# Altium PCB MainPCB_XBeeSXPro_Breakout.PcbDoc (part 1 of 2)
Units mil, origin at the board's own origin, x right, y up, seen from the top; angles counter-clockwise.
Board outline 3100 x 3100 mil, 4 copper layers (Top Layer, Layer 1, Layer 2, Bottom Layer), stack 62.449 mil thick; 102 components, 73 nets, 348 pads, 287 vias.
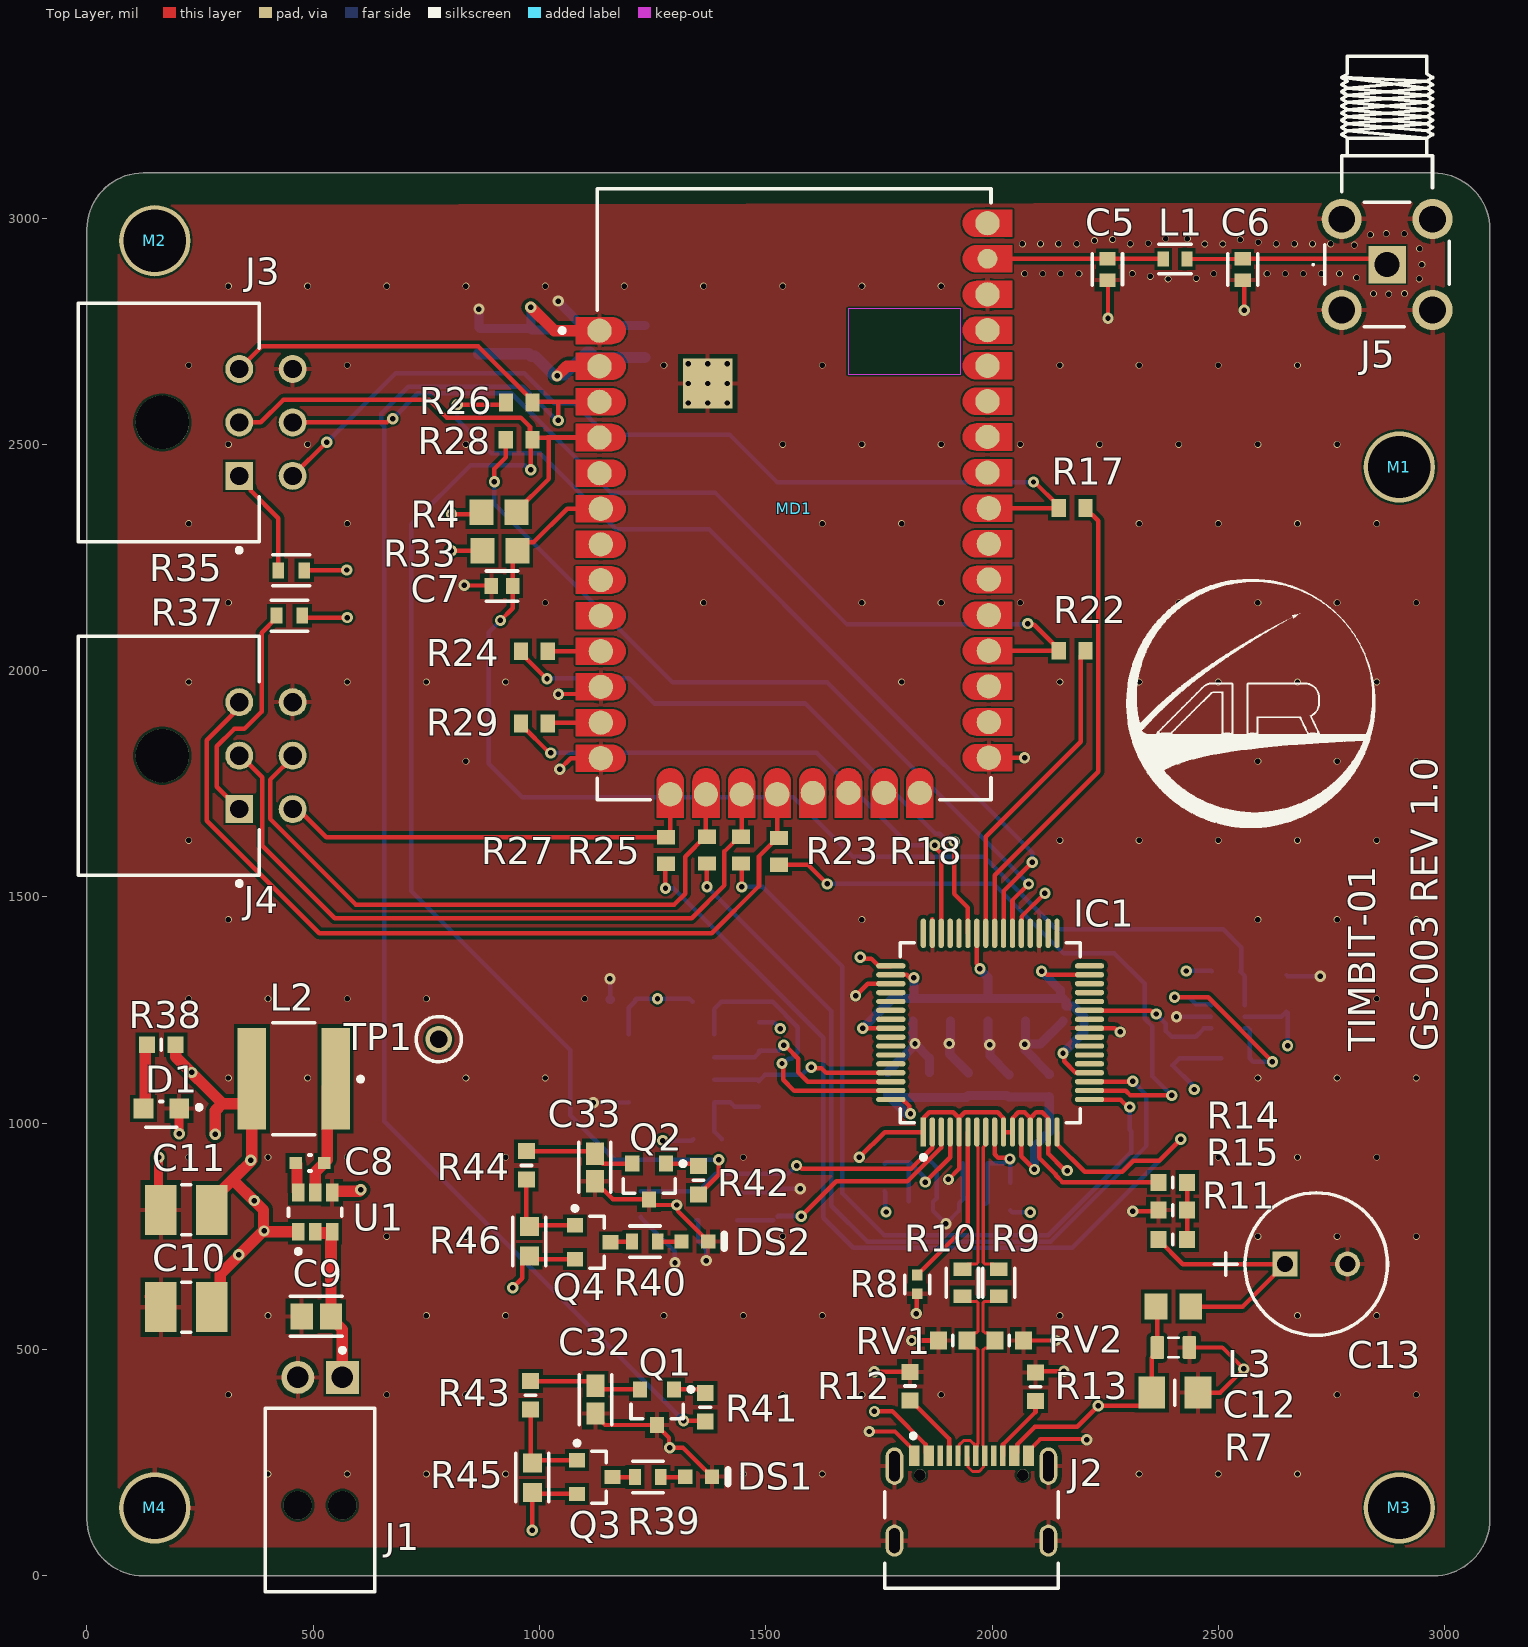
[diagram p0: Top Layer view]
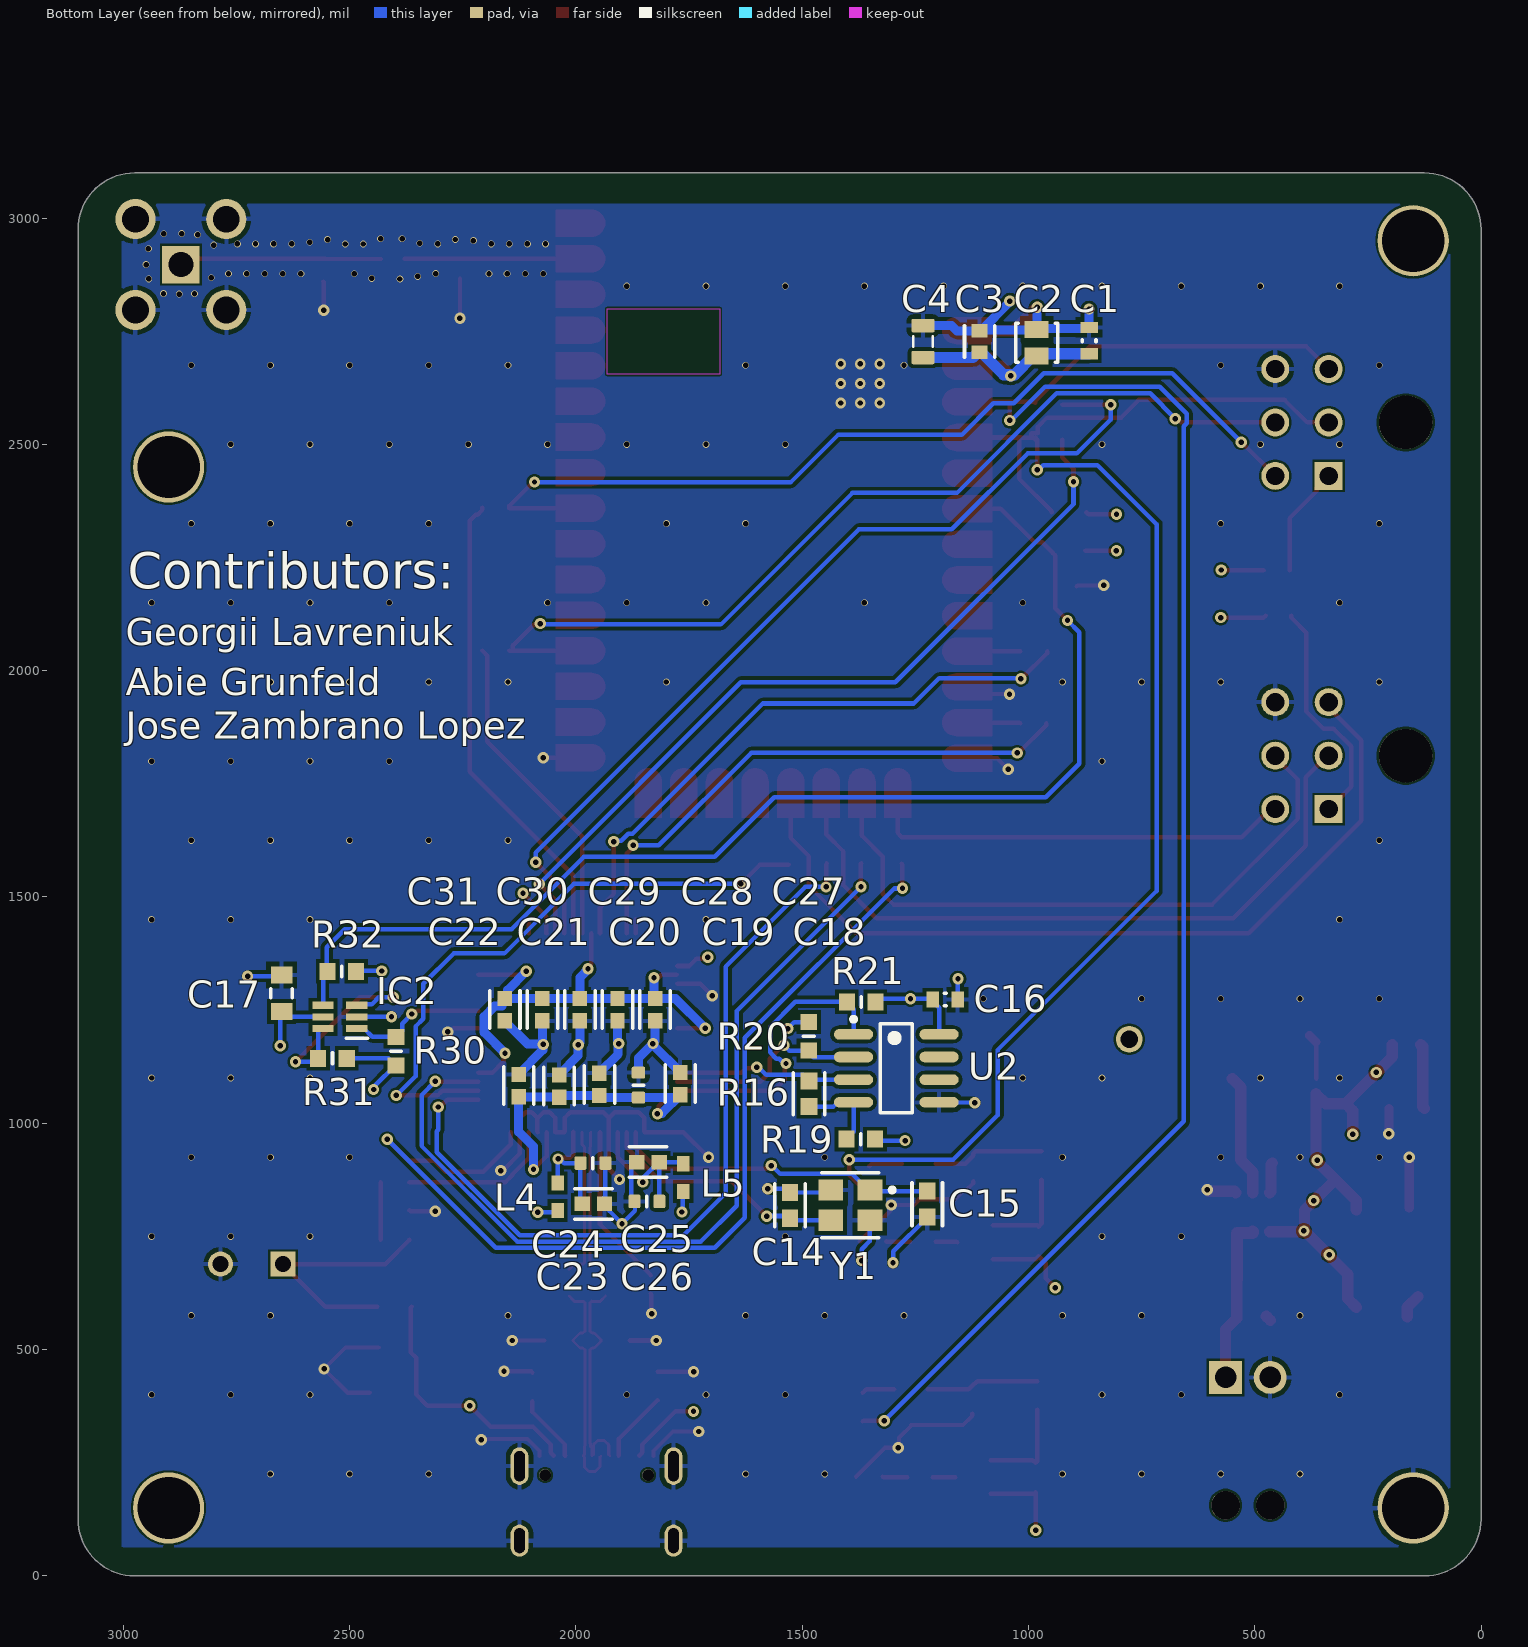
[diagram p1: Bottom Layer view, seen from below]
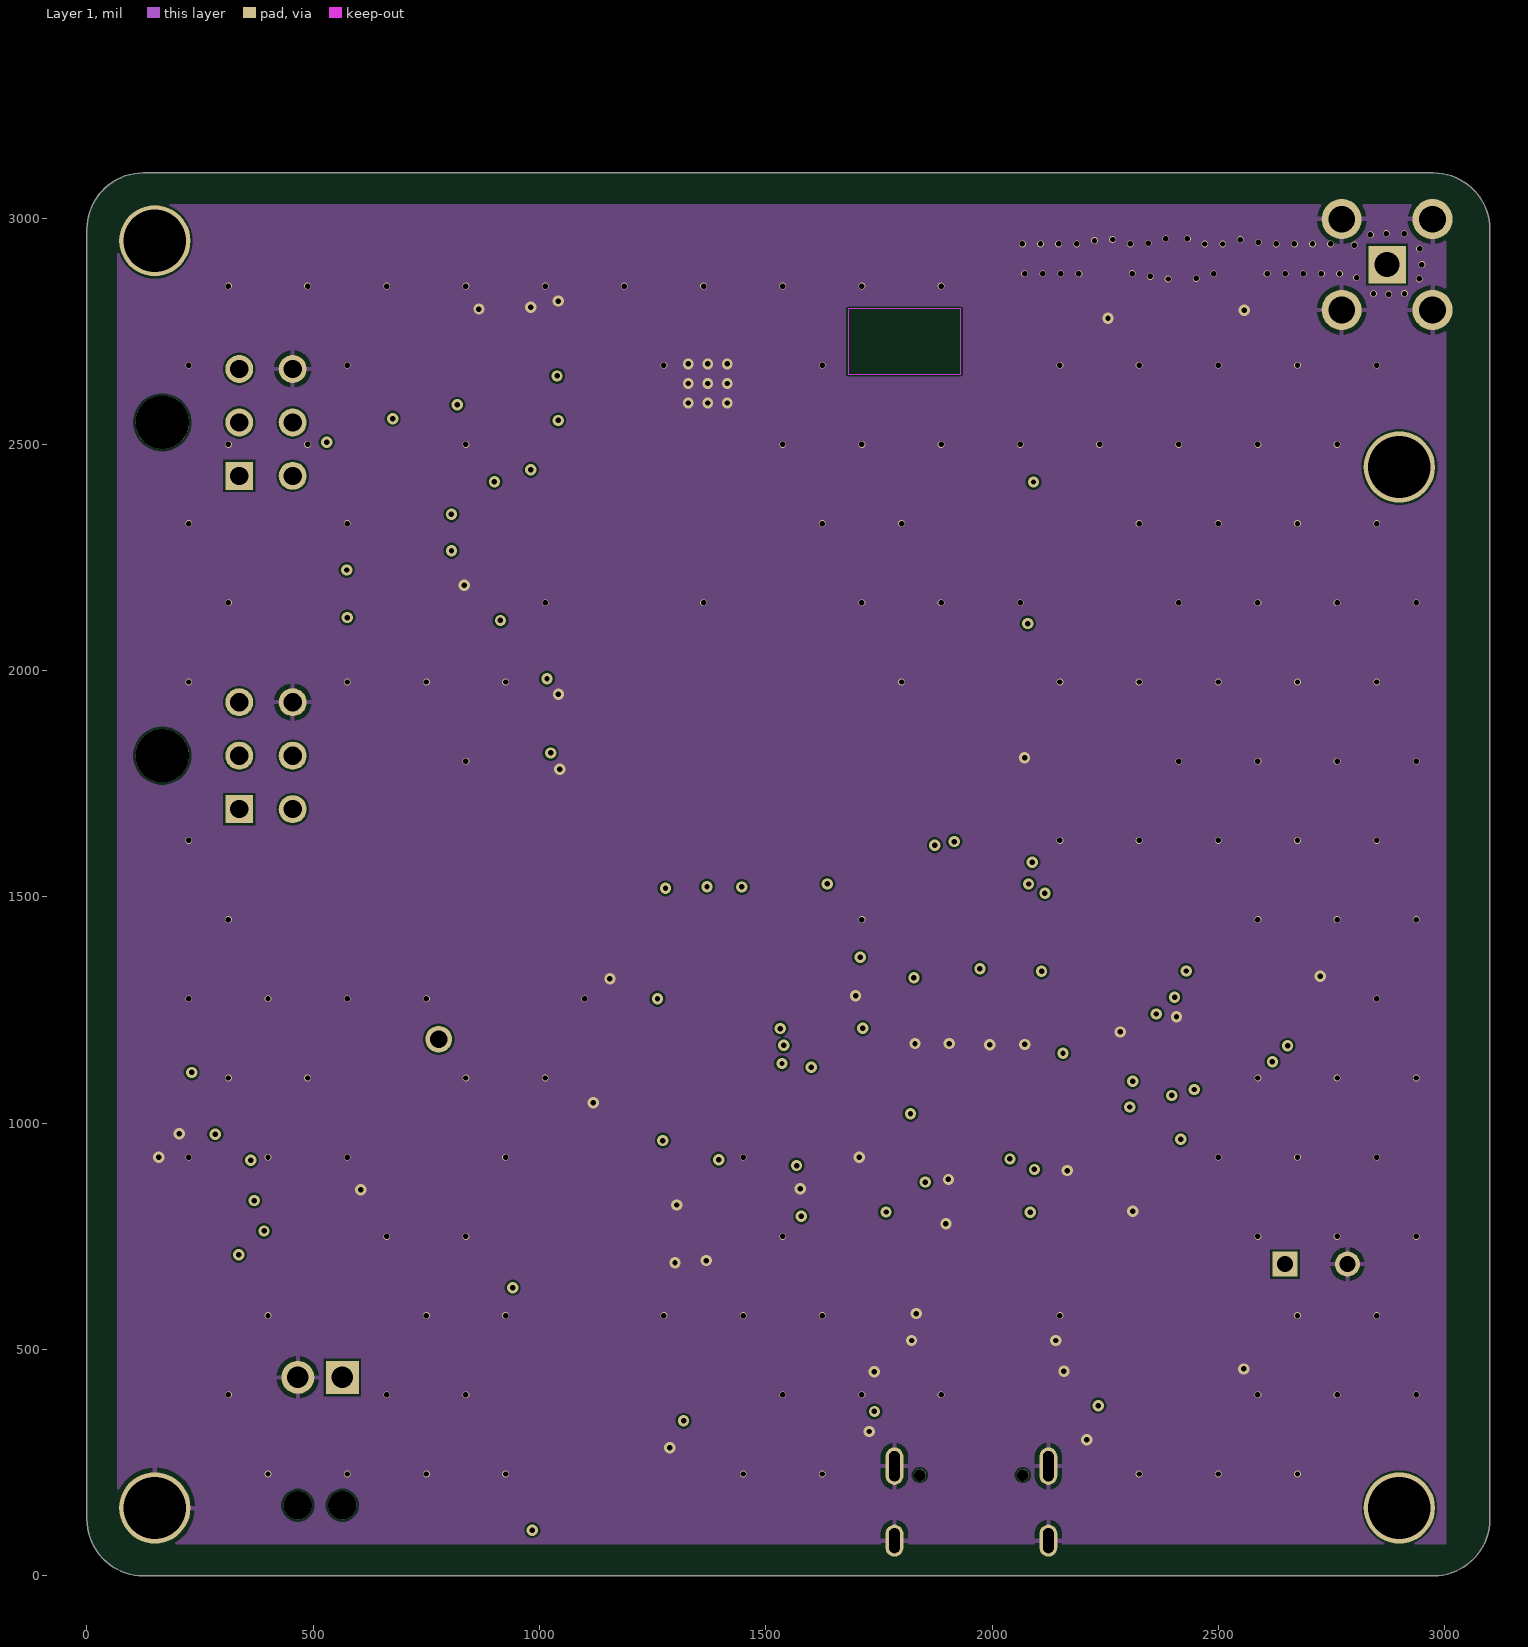
[diagram p2: Layer 1]
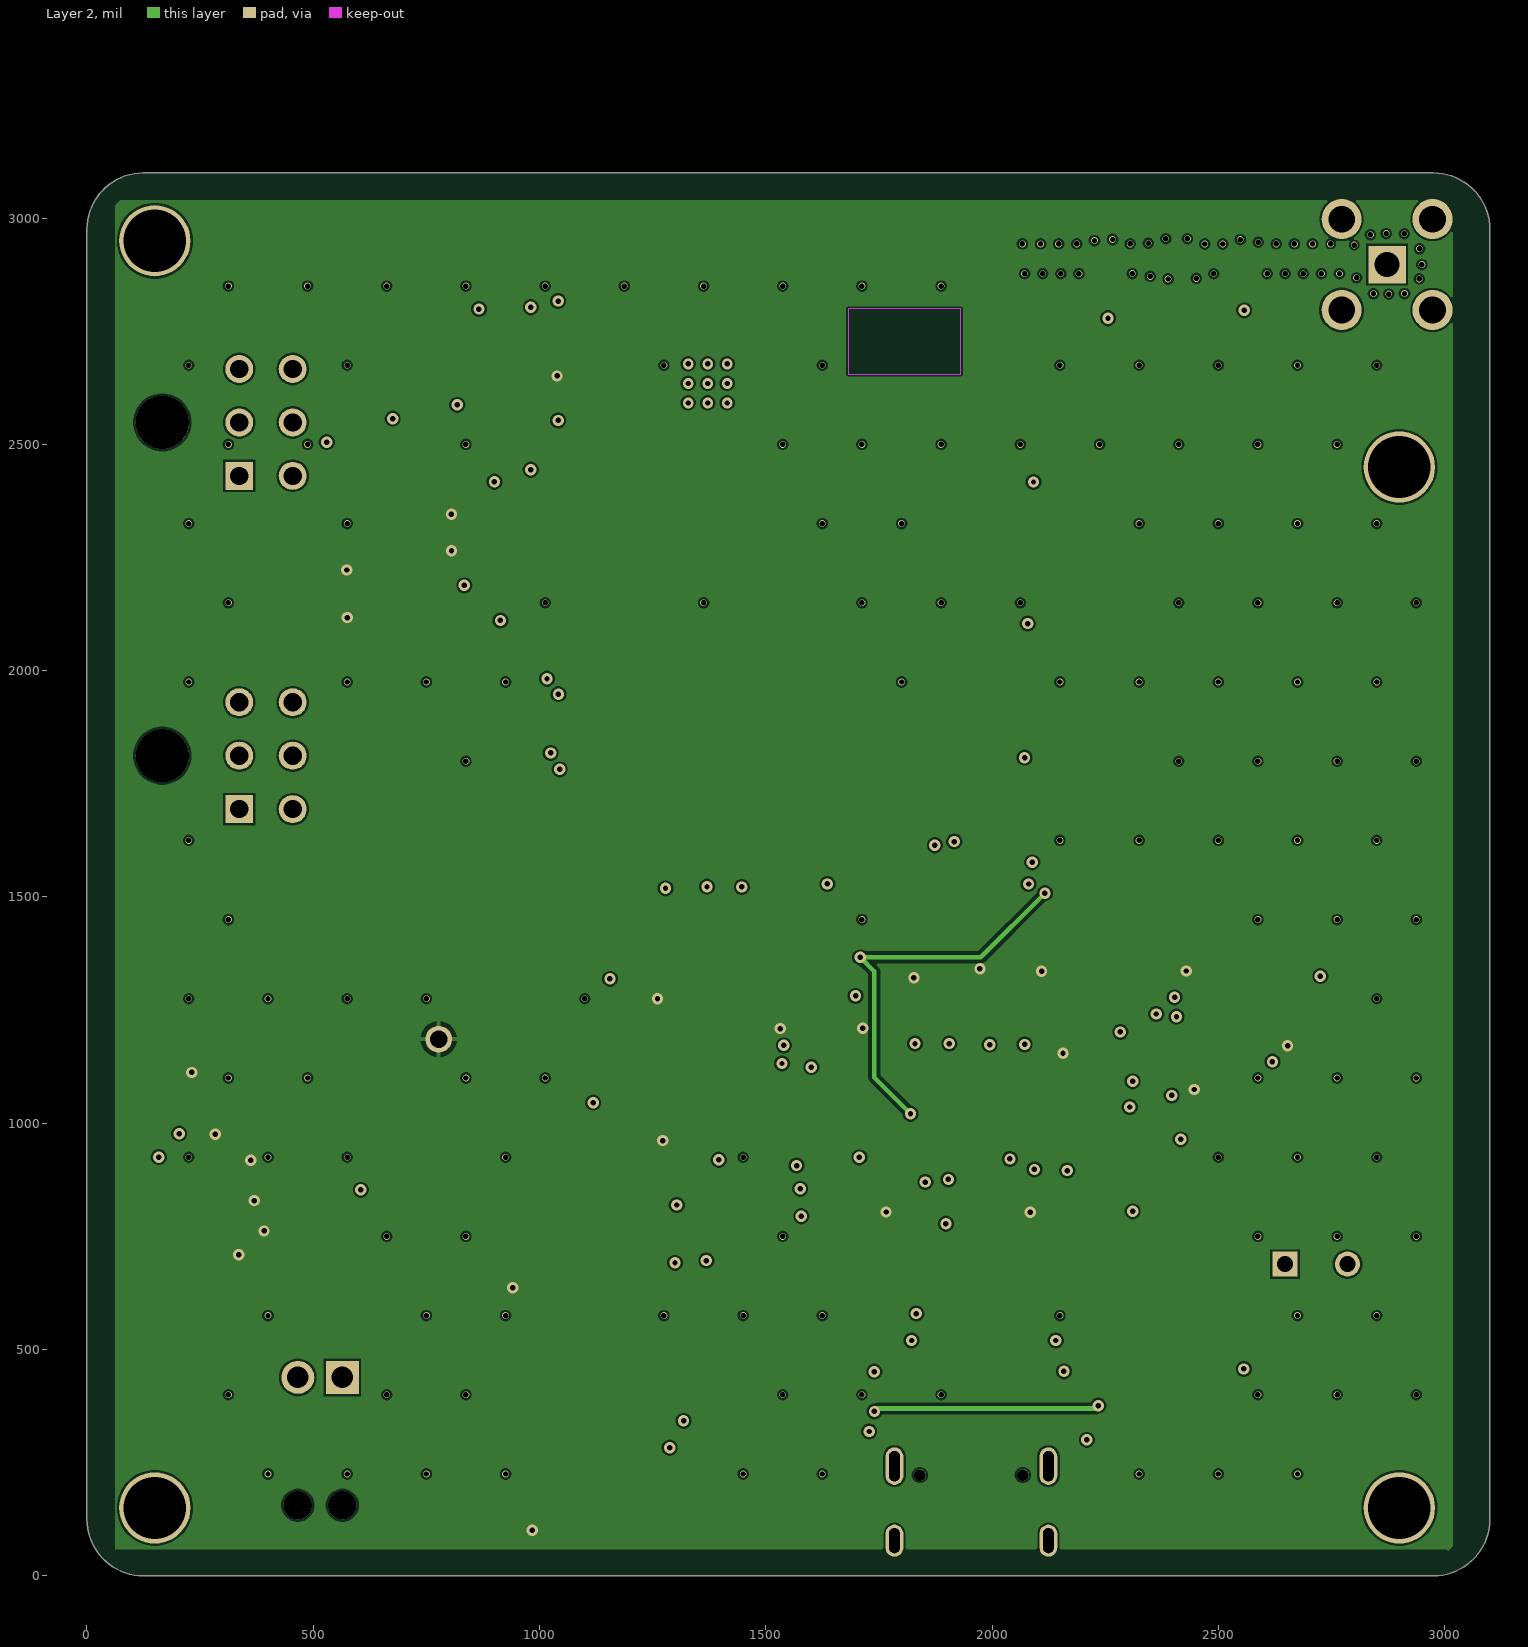
[diagram p3: Layer 2]
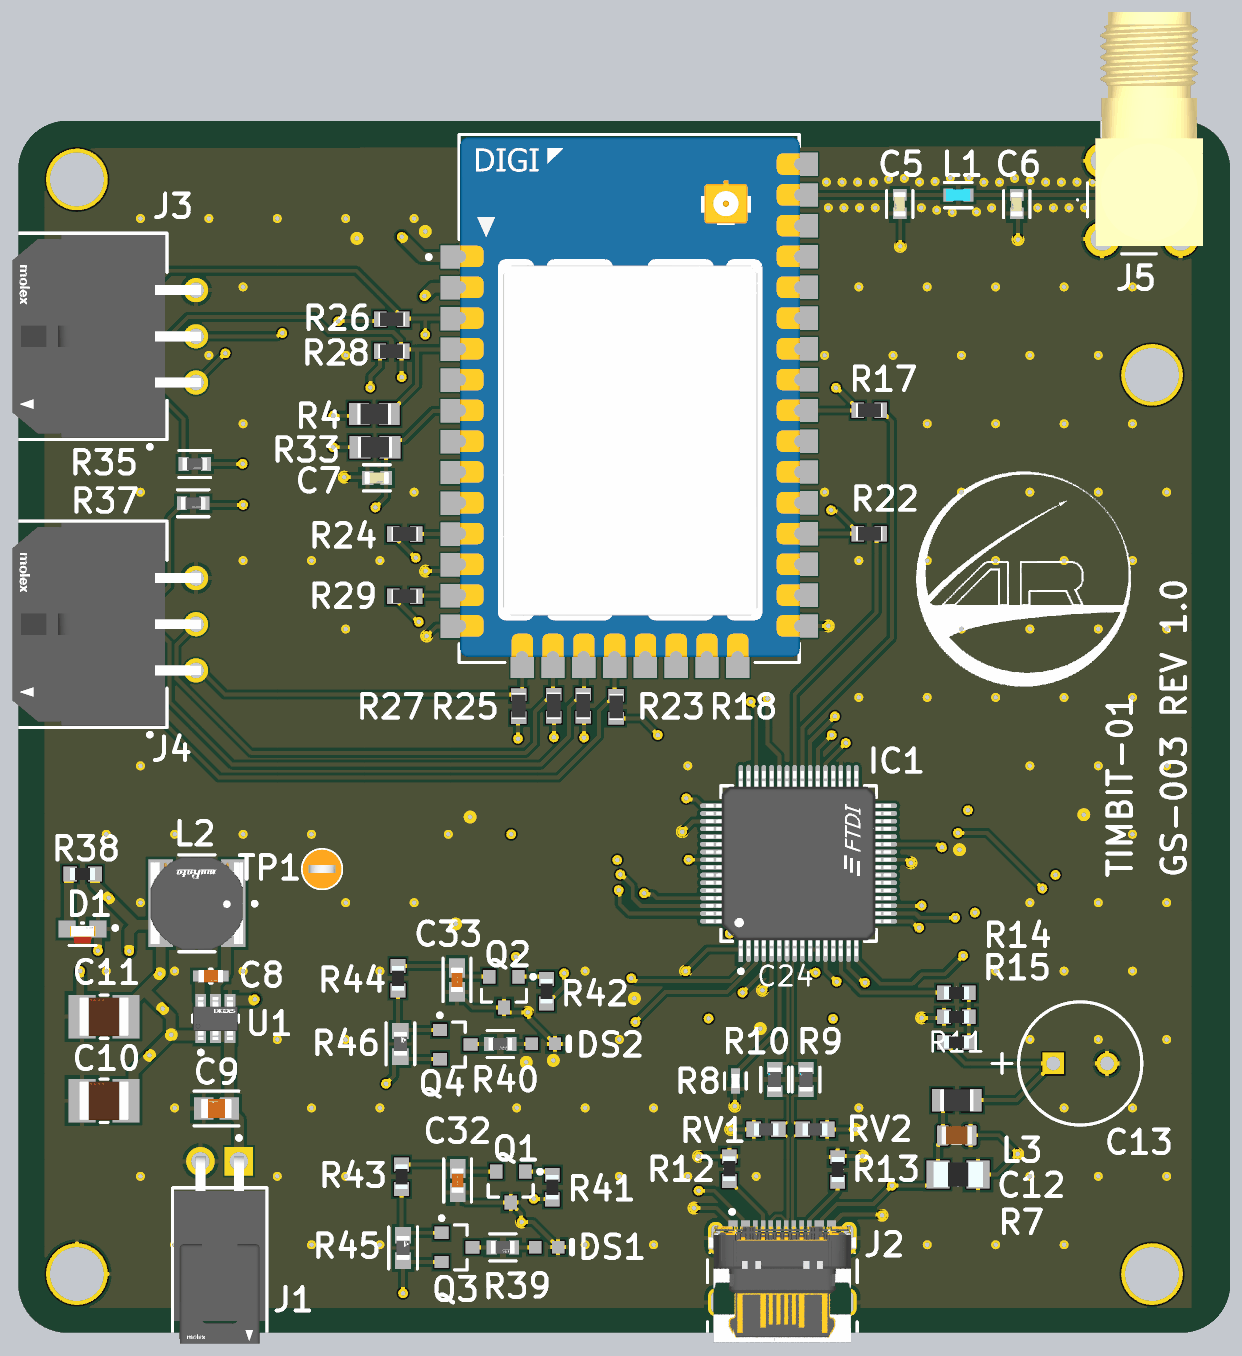
[diagram p5: 3D render of the assembled board from above, using the file's embedded part models]
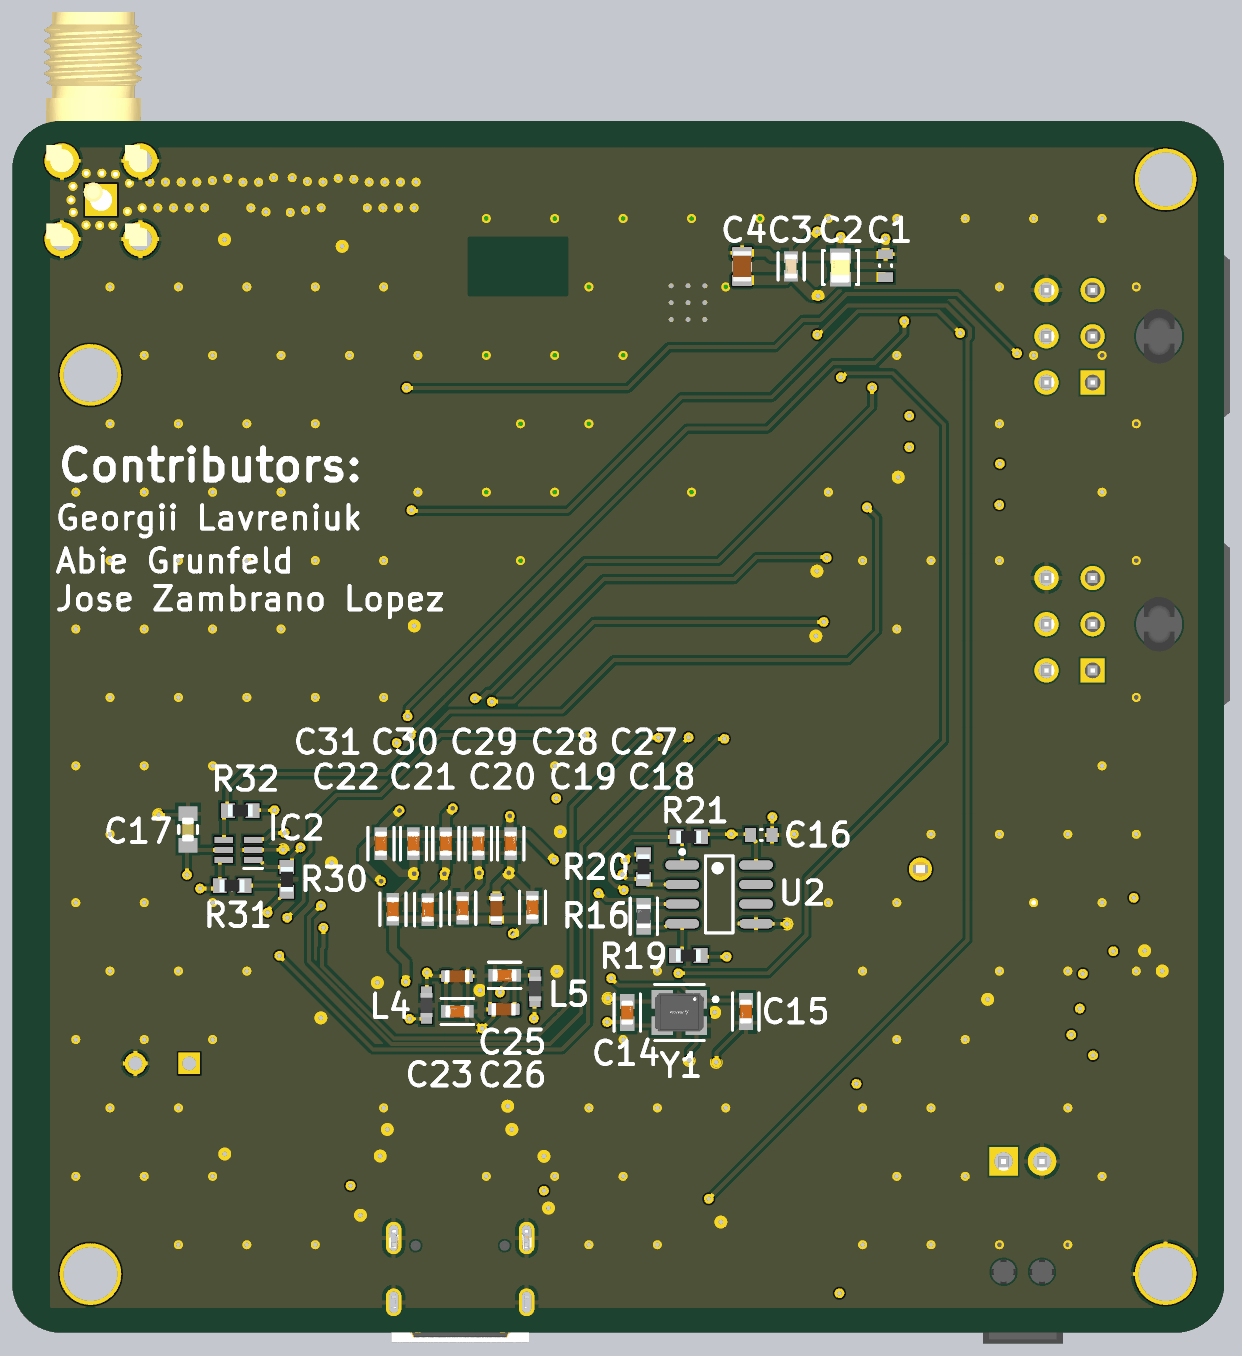
[diagram p6: 3D render of the assembled board from below, using the file's embedded part models]

## Layer stack, top to bottom
Top Solder: solder mask 1.2, Solder Resist, Dk 3.8
Top Layer: signal copper 1.378
Dielectric 2: prepreg 8.284, PP-006, Dk 4.4
Layer 1: signal copper 0.598
Dielectric 1: dielectric 41.929, FR-4, Dk 4.6
Layer 2: signal copper 0.598
Dielectric 3: prepreg 8.284, PP-006, Dk 4.4
Bottom Layer: signal copper 1.378
Bottom Solder: solder mask 1.2, Solder Resist, Dk 3.8

## Board outline
0,125 0,2975 cw(c125,2975) 125,3100 2975,3100 cw(c2975,2975) 3100,2975 3100,125 cw(c2975,125) 2975,0 125,0 cw(c125,125)

## Design rules (kind name [scope] priority, off if disabled: settings)
BoardOutlineClearance [All] p1: gap=0 ignorepadtopadclearanceinfootprint=FALSE
Clearance [All] p1: gap=4.72 ignorepadtopadclearanceinfootprint=FALSE except(3.94: Arc-Arc Arc-Track Track-Track Fill-Fill Fill-Poly Fill-Region Poly-Poly Poly-Region Region-Region; 5.91: Arc-SMDPad Track-SMDPad SMDPad-SMDPad; 7.87: Arc-Via Arc-Fill Arc-Poly Arc-Region Track-Via Track-Fill Track-Poly Track-Region SMDPad-Fill SMDPad-Poly SMDPad-Region; 13.78: Arc-THPad Arc-Hole Track-THPad Track-Hole SMDPad-THPad; 17.72: THPad-THPad)
ComponentOrientations [All] p1: allowedrotations=27
DiffPairsRouting [All] p1: maxlimit=10 minlimit=5 mostfreqgap=10 toplayer_maxgap=5 toplayer_prefgap=5 toplayer_minwidth=6.65 toplayer_maxwidth=6.65 toplayer_prefwidth=6.65 bottomlayer_maxgap=5 bottomlayer_prefgap=5 bottomlayer_minwidth=6.65 bottomlayer_maxwidth=6.65 bottomlayer_prefwidth=6.65 impedanceprofiledriven=TRUE impedanceprofileid={A86A852F-EE13-4025-AAFD-68FEE1CDB2B2} impedanceprofilevalue=90.000000 maxuncoupledlength=500
Height [All] p1: minheight=0 maxheight=3362.2 prefheight=500
HoleSize [All] p1: absolutevalues=TRUE maxlimit=248.03 minlimit=5.91 maxpercent=80.000 minpercent=20.000
HoleToHoleClearance [All] p1: gap=7.87 allowstackedmicrovias=TRUE
MatchedLengths USB_LengthMatch_Max [InDifferentialPairClass('All Differential Pairs')] p1: tolerance=100 checknetsindiffpair=TRUE checkdiffpairvsdiffpair=FALSE checkxsignals=FALSE checkothers=FALSE
MinimumSolderMaskSliver [All] p1: minsoldermaskwidth=1
PermittedLayers [All] p1: toplayerpermitted=TRUE bottomlayerpermitted=TRUE
PlaneClearance [All] p1: clearance=7.87
PlaneConnect [All] p1: pad.planeconnectstyle=Relief pad.reliefexpansion=20 pad.reliefentries=4 pad.reliefconductorwidth=10 pad.reliefairgap=10 via.planeconnectstyle=Direct via.reliefexpansion=20 via.reliefentries=4 via.reliefconductorwidth=10 via.reliefairgap=10
PolygonConnect [All] p1: thpad.connectstyle=Relief thpad.reliefconductorwidth=10 thpad.reliefentries=4 thpad.polygonreliefangle="90 Angle" thpad.airgapwidth=10 smdpad.connectstyle=Relief smdpad.reliefconductorwidth=10 smdpad.reliefentries=4 smdpad.polygonreliefangle="90 Angle" smdpad.airgapwidth=10 via.connectstyle=Direct via.reliefconductorwidth=10 via.reliefentries=4 via.polygonreliefangle="90 Angle" via.airgapwidth=10
ReturnPath RF_900Return [All] p1: impedanceprofileid={F08C2D2D-D5BB-4A92-8FC3-1F2944190AE1} _gaplimit=0
ReturnPath USB_Diff_return [All] p2: impedanceprofileid={A86A852F-EE13-4025-AAFD-68FEE1CDB2B2} _gaplimit=0 maxstitchviadistance=59.06
RoutingCorners RF_corners [InNetClass('RF_900_50R')] p1: cornerstyle=Round minsetback=100 maxsetback=100
RoutingCorners [All] p2: cornerstyle=45-Degree minsetback=100 maxsetback=100
RoutingVias [All] p1: holewidth=12 width=25 viastyle="Through Hole" minholewidth=5.91 minwidth=9.84 maxholewidth=28 maxwidth=50
SilkToSilkClearance [All] p1: silktosilkclearance=1
SilkToSolderMaskClearance [IsPad] p1: minsilkscreentomaskgap=1 clearancetoexposedcopper=TRUE
SolderMaskExpansion [All] p1: expansion=4 istentingtop=FALSE
SupplyNets "Schematic Supply Nets" [InNet('VCC_3v3')] p1: voltage=0.000
SupplyNets "Schematic Supply Nets_2" [InNet('GND')] p2: voltage=0.000
SupplyNets "Schematic Supply Nets_1" [InNet('PWR_+5V')] p3: voltage=0.000
UnRoutedNet [All] p1: checkbadconnections=TRUE
ViasUnderSMD NoViaUnderSMD [All] p1: allowed=FALSE
Width RF_routing [InNetClass('RF_900_50R')] p1: maxlimit=10 minlimit=9.47 preferedwidth=10 toplayer_maxwidth=9.47 toplayer_prefwidth=9.47 bottomlayer_maxwidth=9.47 bottomlayer_prefwidth=9.47 impedanceprofiledriven=TRUE impedanceprofileid={F08C2D2D-D5BB-4A92-8FC3-1F2944190AE1} impedanceprofilevalue=50.000000 minimp=50.000000 maximp=50.000000 favimp=50.000000
Width GeneralWidth [InNet('GND')] p2: maxlimit=60 minlimit=3.94 preferedwidth=20 toplayer_prefwidth=10 minimp=50.000000 maximp=50.000000 favimp=50.000000
19 further rules are at their usual default settings.

## Classes and differential pairs
net class USB: USB_D_N
net class RF_900_50R: NetC5_2 NetR1_1 RF_PAD_OUT
component class Peripherals: C17 C18 C19 C20 C21 C22 C23 C24 C25 C26 C27 C28 C29 C30 C31 IC2 J3 J4 L4 L5 R30 R31 R32 R35 R37
component class LED_Indicators: C32 C33 D1 DS1 DS2 Q1 Q2 Q3 Q4 R38 R39 R40 R41 R42 R43 R44 R45 R46
component class XBeeRadioMain: C1 C2 C3 C4 C5 C6 C7 C8 C9 C10 C11 J1 J5 L1 L2 M1 M2 M3 M4 MD1 R4 R5 R6 R33 TP1 U1
component class FTDI_Chip: C12 C13 C14 C15 C16 IC1 J2 L3 R7 R8 R9 R10 R11 R12 R13 R14 R15 R16 R17 R18 R19 R20 R21 R22 R23 R24 R25 R26 R27 R28 R29 RV1 RV2 U2 Y1
differential pair FTDI_USB: +FTDI_USB_P -FTDI_USB_N
differential pair USB_D: +USB_D_P -USB_D_N
